# Altium PCB VAMoS Rev D.PcbDoc (part 2 of 4)
Units mil, origin at the board's own origin, x right, y up, seen from the top; angles counter-clockwise.
Board outline 3123.48 x 5025.48 mil, 4 copper layers (Top Signal Layer, Power Plane, Ground Plane, Bottom Signal Layer), stack 61.2 mil thick; 294 components, 124 nets, 789 pads, 1205 vias.
Unrouted connection lines stored in the file: 1.
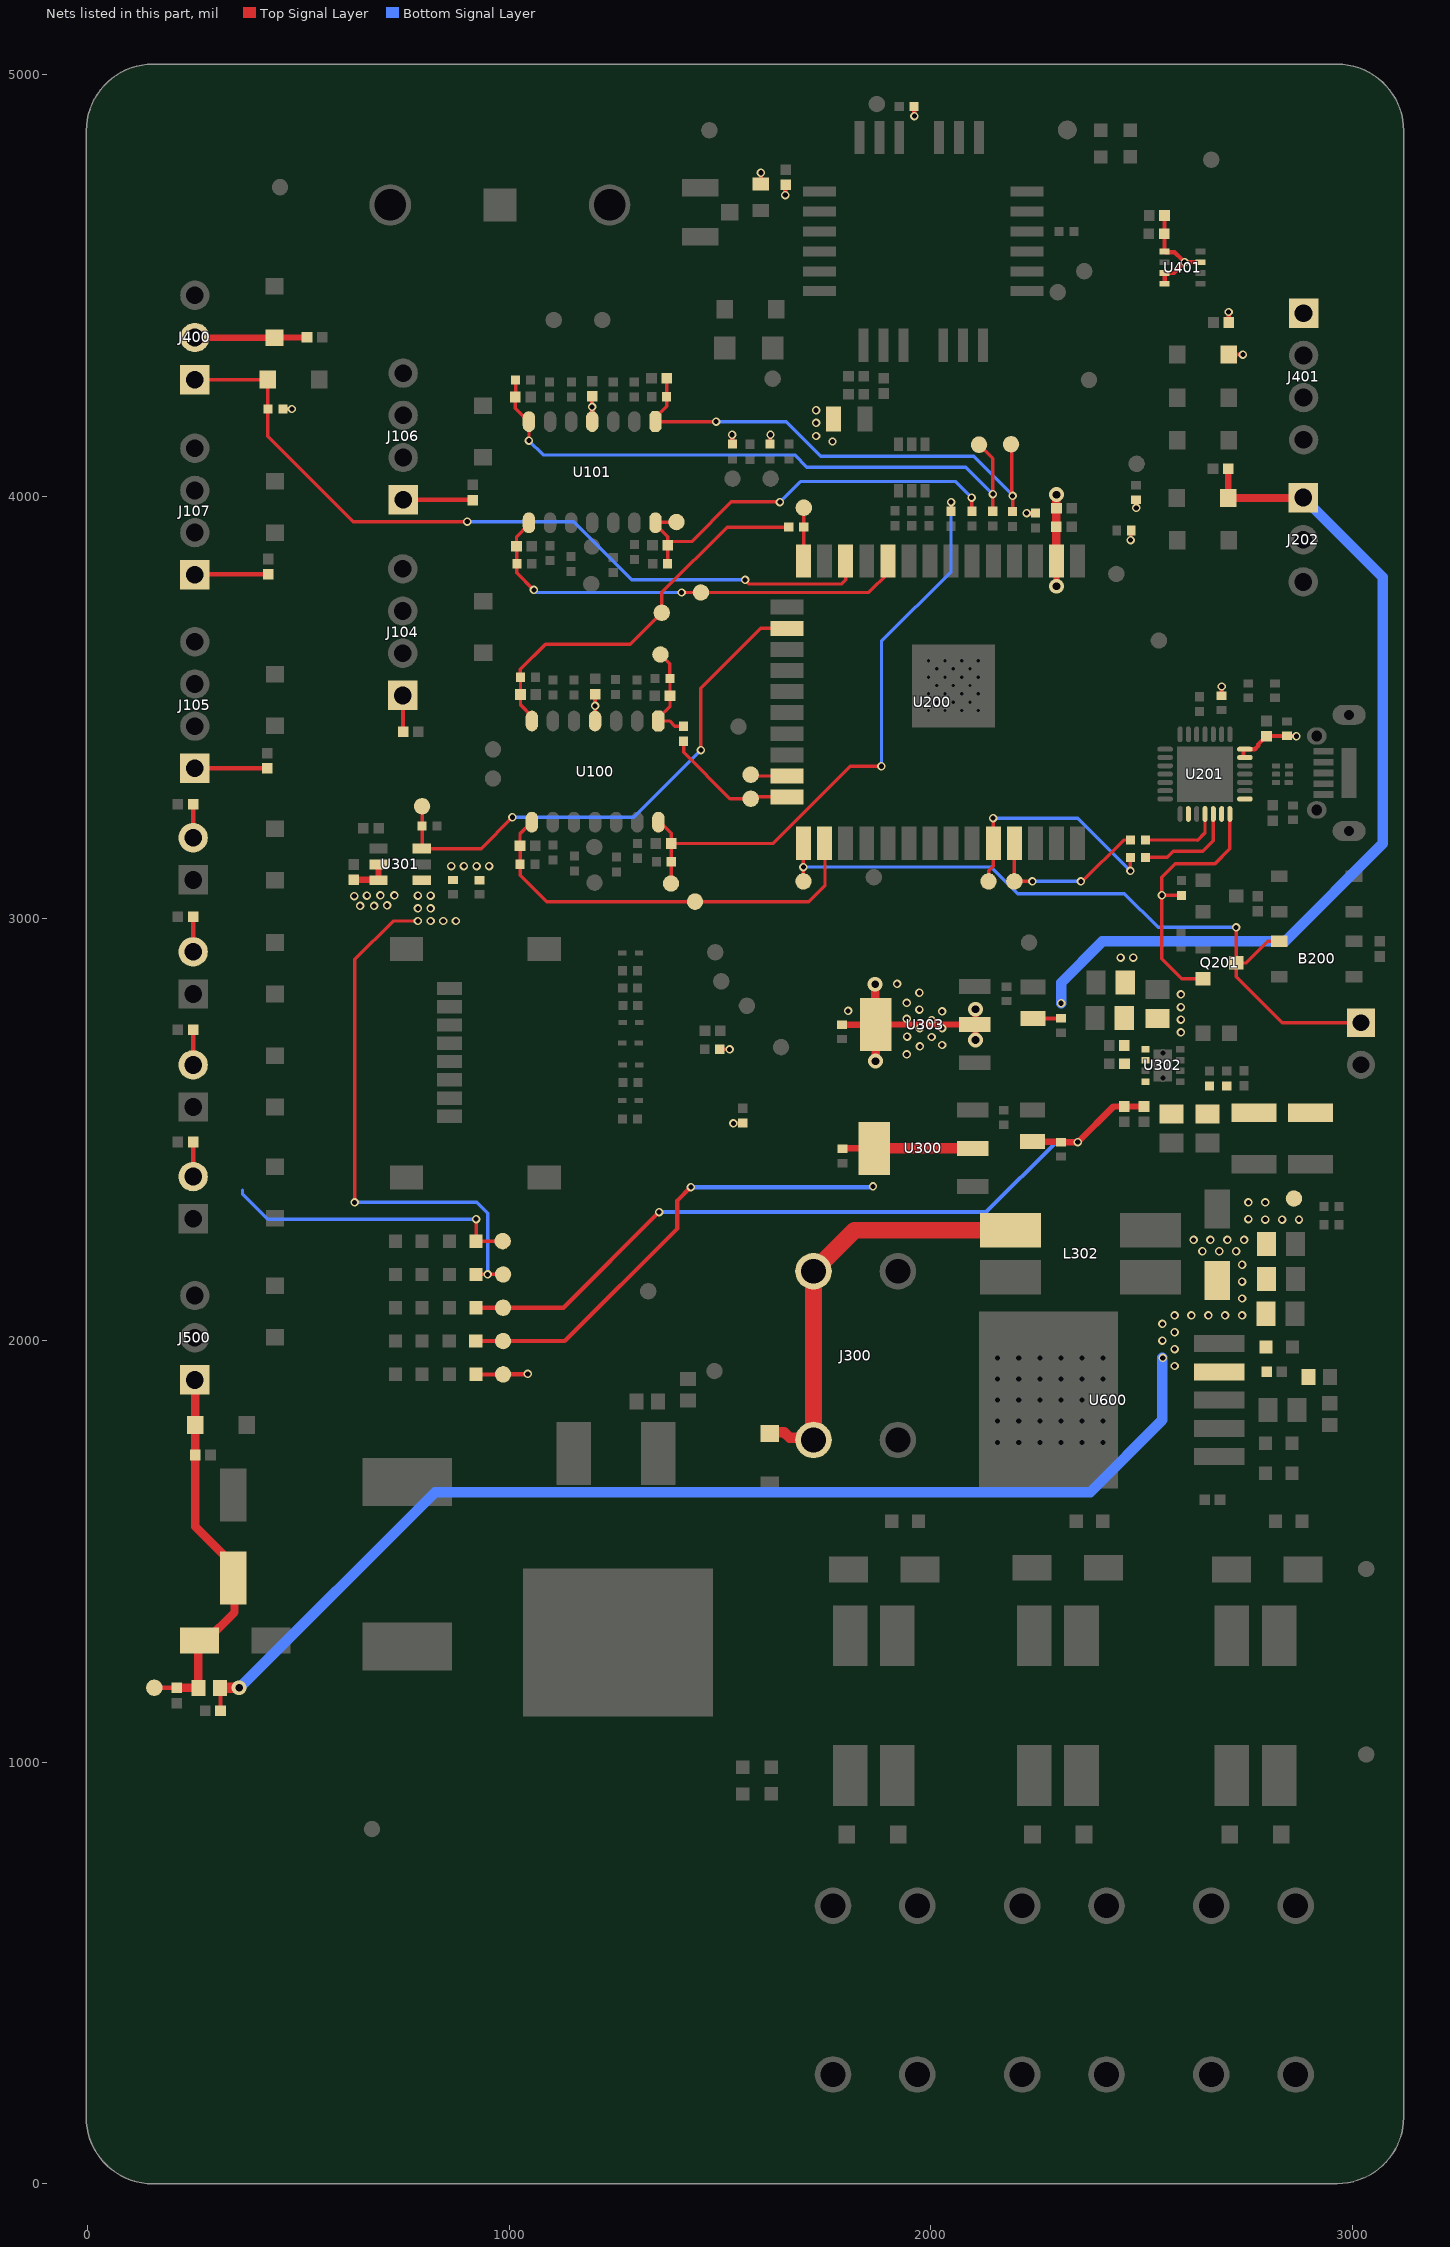
[diagram p4: the nets of this part, all layers, seen from the top]

## Part data (continued)
R216: library part 3K16_Resistor_0603, "Res,SMD,1/10W,3K16,0603,1%", Manufacturer="Stackpole Electronics", Manufacturer Part Number=RMCF0603FT3K16, Supplier Part Number 1=RMCF0603FT3K16CT-ND, Supplier 1=Digi-Key, Supplier 2=Arrow, Supplier Part Number 2=RMCF0603FT3K16
R217: library part 4K53_Resistor_0603, "Res,SMD,4K53,1/10W,1%,0603", Manufacturer=Yageo, Manufacturer Part Number=RC0603FR-074K53L, Supplier Part Number 1=311-4.53KHRCT-ND, Supplier 1=Digi-Key, Supplier 2=Arrow, Supplier Part Number 2=RC0603FR-074K53L
R220: library part 1K00_0603_0.1W, "RES 10k Ohm", Manufacturer=Panasonic, Manufacturer Part Number=ERJ-2RKF1002X, Supplier Part Number 1=P10.0KLCT-ND, ComponentLink1Description=https://datasheet.ciiva.com/2469/esr-2469603.pdf, ComponentLink1URL=https://datasheet.ciiva.com/2469/esr-2469603.pdf, ComponentLink2Description=https://datasheet.ciiva.com/2469/esr-2469604.pdf, ComponentLink2URL=https://datasheet.ciiva.com/2469/esr-2469604.pdf, ComponentLink3Description=https://datasheet.ciiva.com/2469/esr-2469605.pdf, ComponentLink3URL=https://datasheet.ciiva.com/2469/esr-2469605.pdf, Supplier 1=Digi-Key
R224: library part 22K_0603_1/4W, "Res,SMD,22k,0603,5%,1/4W", Manufacturer=Panasonic, Manufacturer Part Number=ERJ-2RKF2212X, Supplier Part Number 1=P22.1KLCT-ND, Supplier 1=Digi-Key
R225: library part 22K_0603_1/4W, "Res,SMD,22k,0603,5%,1/4W", Manufacturer=Panasonic, Manufacturer Part Number=ERJ-2RKF4752X, Supplier Part Number 1=P47.5KLCT-ND, Supplier 1=Digi-Key
R226 R407 R408: library part 1K00_0603_0.1W, Manufacturer=Panasonic, Manufacturer Part Number=ERJ-2RKF2001X, Supplier Part Number 1=P2.00KLDKR-ND, ComponentLink1Description=https://datasheet.ciiva.com/2469/esr-2469603.pdf, ComponentLink1URL=https://datasheet.ciiva.com/2469/esr-2469603.pdf, ComponentLink2Description=https://datasheet.ciiva.com/2469/esr-2469604.pdf, ComponentLink2URL=https://datasheet.ciiva.com/2469/esr-2469604.pdf, ComponentLink3Description=https://datasheet.ciiva.com/2469/esr-2469605.pdf, ComponentLink3URL=https://datasheet.ciiva.com/2469/esr-2469605.pdf, Supplier 1=Digi-Key
R227: Manufacturer=N/A, Distributor=N/A, Manufacturer Part Number=N/A, Supplier 1=N/A, Supplier Part Number 1=N/A
R228 R229 R230 R300 R400: Manufacturer=Panasonic, Manufacturer Part Number=ERJ-2RKF1002X, Supplier Part Number 1=P10.0KLCT-ND, Distributor=Digi-Key, Supplier 1=Digi-Key
R231: Manufacturer=Panasonic, Manufacturer Part Number=ERJ-2RKF6981X, Supplier Part Number 1=P6.98KLCT-ND, Distributor=Digi-Key, Supplier 1=Digi-Key
R232: Manufacturer=Panasonic, Manufacturer Part Number=ERJ-2RKF2101X, Supplier Part Number 1=P2.10KLCT-ND, Distributor=Digi-Key, Supplier 1=Digi-Key
R301: library part 100K_0603_0.1W, "Res,SMD,0603,1/10W,100K,1%", Manufacturer=Panasonic, Manufacturer Part Number=ERJ-2RKF1003X, Supplier Part Number 1=P100KLCT-ND, ComponentLink1Description=http://industrial.panasonic.com/www-cgi/jvcr13pz.cgi?E+PZ+3+AOA0002+ERJ3EKF1003V+7+WW, ComponentLink1URL=http://industrial.panasonic.com/www-cgi/jvcr13pz.cgi?E+PZ+3+AOA0002+ERJ3EKF1003V+7+WW, ComponentLink2Description=https://www.arrow.com/en/products/erj3ekf1003v/panasonic/, ComponentLink2URL=https://www.arrow.com/en/products/erj3ekf1003v/panasonic/, Supplier 1=Digi-Key
R302 R305 R602: library part 1K00_0603_0.1W, "RES 1K Ohm ±5%, 0.25W,1/4W 0603", Manufacturer=Yageo, Manufacturer Part Number=RC0603FR-071K2L, Resistance (Ohms)=1k, Supplier Part Number 1=311-1.20KHRCT-ND, ComponentLink1Description=https://datasheet.ciiva.com/2469/esr-2469603.pdf, ComponentLink1URL=https://datasheet.ciiva.com/2469/esr-2469603.pdf, ComponentLink2Description=https://datasheet.ciiva.com/2469/esr-2469604.pdf, ComponentLink2URL=https://datasheet.ciiva.com/2469/esr-2469604.pdf, ComponentLink3Description=https://datasheet.ciiva.com/2469/esr-2469605.pdf, ComponentLink3URL=https://datasheet.ciiva.com/2469/esr-2469605.pdf, Supplier 1=Digi-Key
R303: library part 71K5_0603_1/10W, "RES SMD 71.5K OHM 1% 1/10W 0603", Manufacturer="Panasonic Electronic Components", Manufacturer Part Number=ERJ-2RKF7152X, Supplier Part Number 1=P71.5KLCT-ND, Supplier 1=Digi-Key
R304 R404 R405 R406 R409: library part 1K00_0603_0.1W, "RES 1K Ohm ±5%, 0.25W,1/4W 0603", Manufacturer=Panasonic, Manufacturer Part Number=ERJ-2RKF1002X, Supplier Part Number 1=P10.0KLCT-ND, ComponentLink1Description=https://datasheet.ciiva.com/2469/esr-2469603.pdf, ComponentLink1URL=https://datasheet.ciiva.com/2469/esr-2469603.pdf, ComponentLink2Description=https://datasheet.ciiva.com/2469/esr-2469604.pdf, ComponentLink2URL=https://datasheet.ciiva.com/2469/esr-2469604.pdf, ComponentLink3Description=https://datasheet.ciiva.com/2469/esr-2469605.pdf, ComponentLink3URL=https://datasheet.ciiva.com/2469/esr-2469605.pdf, Supplier 1=Digi-Key
R306 R307: library part 1K00_0603_0.1W, "RES 1K Ohm ±5%, 0.25W,1/4W 0603", Manufacturer=Rohm, Manufacturer Part Number=RC0603FR-07560RL, Resistance (Ohms)=1k, Supplier Part Number 1=311-560HRCT-ND, ComponentLink1Description=https://datasheet.ciiva.com/2469/esr-2469603.pdf, ComponentLink1URL=https://datasheet.ciiva.com/2469/esr-2469603.pdf, ComponentLink2Description=https://datasheet.ciiva.com/2469/esr-2469604.pdf, ComponentLink2URL=https://datasheet.ciiva.com/2469/esr-2469604.pdf, ComponentLink3Description=https://datasheet.ciiva.com/2469/esr-2469605.pdf, ComponentLink3URL=https://datasheet.ciiva.com/2469/esr-2469605.pdf, Supplier 1=Digi-Key
R308 R401: library part 1K00_0603_0.1W, "RES 1K Ohm ±5%, 0.25W,1/4W 0603", Manufacturer=Rohm, Manufacturer Part Number=RC0603FR-07330RL, Resistance (Ohms)=1k, Supplier Part Number 1=311-330HRCT-ND, ComponentLink1Description=https://datasheet.ciiva.com/2469/esr-2469603.pdf, ComponentLink1URL=https://datasheet.ciiva.com/2469/esr-2469603.pdf, ComponentLink2Description=https://datasheet.ciiva.com/2469/esr-2469604.pdf, ComponentLink2URL=https://datasheet.ciiva.com/2469/esr-2469604.pdf, ComponentLink3Description=https://datasheet.ciiva.com/2469/esr-2469605.pdf, ComponentLink3URL=https://datasheet.ciiva.com/2469/esr-2469605.pdf, Supplier 1=Digi-Key
R402 R403: library part 1K00_0603_0.1W, "RES 1K Ohm ±5%, 0.25W,1/4W 0603", Manufacturer=Panasonic, Manufacturer Part Number=ERJ-2RKF4700X, Supplier Part Number 1=P470LCT-ND, ComponentLink1Description=https://datasheet.ciiva.com/2469/esr-2469603.pdf, ComponentLink1URL=https://datasheet.ciiva.com/2469/esr-2469603.pdf, ComponentLink2Description=https://datasheet.ciiva.com/2469/esr-2469604.pdf, ComponentLink2URL=https://datasheet.ciiva.com/2469/esr-2469604.pdf, ComponentLink3Description=https://datasheet.ciiva.com/2469/esr-2469605.pdf, ComponentLink3URL=https://datasheet.ciiva.com/2469/esr-2469605.pdf, Supplier 1=Digi-Key
R500: Manufacturer=Panasonic, Manufacturer Part Number=ERJ-3GEY0R00V, Supplier Part Number 1=P0.0GCT-ND, Distributor=Digi-Key, Supplier 1=Digi-Key
R501: Manufacturer=Panasonic, Manufacturer Part Number=ERJ-3GEYJ104V, Supplier Part Number 1=P100KGCT-ND, Distributor=Digi-Key, Supplier 1=Digi-Key
R600: Manufacturer=Panasonic, Manufacturer Part Number=ERA-3AEB5362V, Supplier Part Number 1=P53.6KDBCT-ND, Distributor=Digi-Key, Supplier 1=Digi-Key
R601: Manufacturer=Panasonic, Manufacturer Part Number=ERA-3AEB6981V, Supplier Part Number 1=P6.98KDBCT-ND, Supplier 1=Digi-Key
TP100 TP101 TP102 TP103 TP104 TP105 TP106 TP107 TP108 TP109 TP110 TP111 TP112 TP113 TP200 TP201 TP202 TP203 TP204 TP206 TP207 TP210 TP211 TP212 TP213 TP214 TP215 TP300 TP301 TP302 TP303 TP304 TP305 TP306 TP307 TP308 TP309 TP310 TP311 TP312 TP313 TP314 TP315 TP400 TP401 TP402 TP403 TP405 TP406 TP407 TP408 TP500 TP502 TP600 TP601: library part TP_SMD_39MIL, "SMD Test Pad", Manufacturer="No P/N Required", Fast Supplier="No P/N Required", Fast Supplier P/N="No P/N Required", Manufacturer P/N="No P/N Required", P/N="No P/N", UM=EA
TP404: library part TP_SMD_45MIL, "SMD Test Pad", Manufacturer="No P/N Required", Fast Supplier="No P/N Required", Fast Supplier P/N="No P/N Required", Manufacturer P/N="No P/N Required", P/N="No P/N", UM=EA
U100 U101: library part LM660, "Quad opamplifiers", Manufacturer="Texas Instruments", Supplier Part Number 1=296-35336-1-ND, Manufacturer Part Number=LMH6644MAX/NOPB, Supplier 1=Digi-Key
U200: "Microcontroller WIFI Module 32Mbits SPI Flash", Manufacturer="Espressif Systems", Supplier Part Number 1=1904-1026-1-ND, Manufacturer Part Number=ESP32-WROOM-32U, Supplier 1=Digi-Key
U201: library part "CP2102N QFN28", "USB to UART converter", Manufacturer="Silicon Labs", Supplier Part Number 1=336-4738-1-ND, Manufacturer Part Number=CP2102N-A01-GQFN28R, Supplier 1=Digi-Key
U202: library part CMP-0326-00038-3, "USB ESD Solution with Power Clamp, 4 Channels, -40 to +85 degC, 6-pin SON (DRY), Green (RoHS & no Sb/Br)", Breakdown Voltage(Min)(V)=6, IO Capacitance(Typ)(pF)=0.8, IO Leakage Current(nA)=10, Manufacturer="Texas Instruments", Supplier Part Number 1=296-24244-1-ND, ComponentLink1Description="Manufacturer URL", ComponentLink1URL=http://www.ti.com/, ComponentLink2Description=Datasheet, ComponentLink2URL=http://www.ti.com/general/docs/lit/getliterature.tsp?genericPartNumber=TPD4S012&fileType=pdf, ComponentLink3Description="URL Link1", ComponentLink3URL=SamplesURL:http://www.ti.com/product/tpd4s012#samples, DatasheetVersion=SLVS928A, Eco-Plan="Green (RoHS & no Sb/Br)", IEC 61000-4-2 Air-Gap(+/- kV)=10, IEC 61000-4-2 Contact(+/- kV)=10, Manufacturer Part Number=TPD4S012DRYR, Mounting Technology="Surface Mount", PackageDescription="6-Pin Plastic Small Outline No-Lead, 1 x 1.45 x 0.6 mm Body, 0.5 mm Pitch", PackageReference=DRY0006A, PackageVersion="revF, Dec-2011", PartNumber=TPD4S012DRYR, SubFamily="ESD Solution", Supplier 1=Digi-Key, USB High Speed=TRUE
U300: library part ZLDO1117, "1A 3.3V LDO", Manufacturer="Diodes Incorporated", Supplier Part Number 1=ZLDO1117G50DICT-ND, Manufacturer Part Number=ZLDO1117G50TA, Supplier 1=Digi-Key
U301: "High Side Load Switch", Manufacturer="Texas Instruments", Supplier Part Number 1=296-45297-1-ND, Manufacturer Part Number=TPS22810DBVR, Supplier 1=Digi-Key
U302: "DC-DC: 0.9-6V 2A output, 3-17V input. Non-isolated.", Manufacturer="Texas Instruments", Manufacturer Part Number=TPS82140SILT, Supplier Part Number 1=296-47089-1-ND, ComponentLink1Description=wefwef, ComponentLink1URL=https://www.digikey.ca/product-detail/en/texas-instruments/TPS82140SILT/296-47089-1-ND/7596470, Supplier 1=Digi-Key
U303: library part ZLDO1117, "1A 3.3V LDO", Manufacturer="Diodes Incorporated", Supplier Part Number 1=ZLDO1117QG33TADICT-ND, Manufacturer Part Number=ZLDO1117QG33TA, Supplier 1=Digi-Key
U400: "GPS Module", Manufacturer="Sierra Wireless", Manufacturer Part Number=XA1100_1103872, Supplier Part Number 1=1645-1094-1-ND, Supplier 1=Digi-Key
U401: "SENSOR Humidity Temperature 0 ~ 100% RH I²C SPI ±3% 1s 8-Pin LGA", Manufacturer=Bosch, Supplier Part Number 1=828-1063-1-ND, Manufacturer Part Number=BME280, Supplier 1=Digi-Key
U600: "Linear Voltage Regulator IC Positive Adjustable 1 Output  3A D2PAK-5", Manufacturer="ON Semiconductor", Supplier Part Number 1=NCP57302DSADJR4GOSCT-ND, Manufacturer Part Number=NCP57302DSADJR4G, Supplier 1=Digi-Key

## Via types
v1: diameter 20, hole 12, Top Signal Layer to Bottom Signal Layer, tented both sides, 1169 vias
v2: diameter 35, hole 18, Top Signal Layer to Bottom Signal Layer, tented both sides, 27 vias
v3: diameter 19.68, hole 7.87, Top Signal Layer to Bottom Signal Layer, tented both sides, 9 vias

## Nets (pads, with @x,y where several pads share a name; then routed paths per layer and width w, separated by ;. In a path a pad name is that pad's centre, name@x,y a point inside that pad or via, vN(x,y) a via of type N, cw(c..) or ccw(c..) an arc to the next point about the centre after c; other vN are vias at no path point)
+3V3: C112.2 C113.2 C201.2 C202.1 C203.2 C204.1 C317.2 C400.2 C402.2 C404.1 C406.2 C407.2 D400.1 D403.1 J400.2 J401.1 L400.1 L401.2 R201.1 R220.2 R226.1 R230.1 R308.2 R400.2 R404.2 R406.2 R407.2 R408.2 R409.2 TP309.1 U100.4 U101.4 U200.2 U201.6 U201.7 U303.2 U401.2 U401.5 U401.6 U401.8 | length 2073.5
  Top Signal Layer w8: R201.1@1499.6,2689.83 v1(1522.88,2689.83) ; R409.2@1619.17,4124.72 1619.59,4125.13 1619.59,4146.59 v1(1620,4147) ; v1(2474,3897) 2474.46,3897.46 2474.46,3919.54 R408.2@2474.93,3920
  Top Signal Layer w10: R400.2@465.85,4204.34 469.51,4208 v1(485.28,4208) ; R308.2@921.85,1919.06 1000.35,1919.06 1000.85,1919.56 1043.85,1919.56 v1(1044.35,1920.06) ; v1(1197,4213) v1@1197,4218.76 ; C113.2@1197,4246 v1@1197,4218.76 ; U101.4@1197.24,4178.15 1197.12,4178.28 1197.12,4218.88 v1@1197,4218.76 ; U100.4@1204.01,3468.4 v1@1204,3511 ; v1(1204,3504) v1@1204,3510.99 ; C112.2@1204,3532 v1@1204,3510.99 ; v1(1529,4147) 1529.39,4146.61 1529.39,4125.32 R406.2@1529.77,4124.94 ; v1(1531.97,2514.14) 1532.28,2514.45 1553.84,2514.45 R220.2@1554.14,2514.76 ; L401.2@1597.2,4741.65 v1(1597.2,4768.15) ; v1(1654.98,4715.09) C404.1@1654.98,4738.98 ; L400.1@1771.1,4181.55 L400.1@1773.55,4184 ; R404.2@1960.61,4925.3 1960.75,4925.16 1960.75,4902.44 v1(1960.89,4902.3) ; v1(2227,3961) 2227.05,3961.05 2248.23,3961.05 R230.1@2248.28,3961.1 ; R407.2@2486.5,3992.64 R407.2@2487,3993.14 R407.2@2487,3993.14 2487.04,3973.78 v1(2487.08,3973.74) ; C407.2@2554.1,4666.89 2554.35,4666.63 2554.35,4581.83 U401.8@2554.61,4581.58 2556.5,4579.69 2578.11,4579.69 2595.34,4562.46 v1@2601.97,4555.83 ; U401.5@2554.61,4504.81 U401.6@2554.61,4530.4 2576.54,4530.4 v1@2601.97,4555.83 ; U401.2@2639.25,4555.99 v1(2601.97,4555.99) v1@2601.97,4555.83 ; R226.1@2689.68,3528.01 2689.76,3528.09 2689.76,3549.99 v1(2689.85,3550.08) ; v1(2706.32,4438) 2706.37,4437.94 2706.37,4413.06 C400.2@2706.43,4413 ; D400.1@2706.34,4337 v1(2740,4337) ; U201.6@2741.68,3381.66 2741.68,3401.35 2741.76,3401.43 2768.2,3401.43 2776.17,3409.39 2776.17,3412.57 2795.74,3432.15 C204.1@2795.85,3432.04 2796.41,3432.59 2844.3,3432.59 C203.2@2844.85,3433.15 2845.35,3432.65 2866.35,3432.65 v1(2866.85,3432.15)
  Top Signal Layer w15: J400.2@257.94,4377.57 258.23,4377.27 443.48,4377.27 443.89,4376.87 D403.1@444,4376.98 444.51,4377.49 520.38,4377.49 C402.2@520.89,4378 ; L400.1@1769.61,4184 L400.1@1769.7,4184.09 L400.1@1769.79,4184 ; L400.1@1769.85,4183.94 L400.1@1769.79,4184 ; L400.1@1773.55,4184 L400.1@1769.79,4184 ; C317.2@1788.98,2748.11 U303.2@1869.58,2748.11 ; U303.2@1870.01,2748.54 U303.2@2104.26,2748.54 ; v2(2106,2712) 2106,2746.8 U303.2@2104.26,2748.54 ; v2(2106,2785) 2106,2750.28 U303.2@2104.26,2748.54 ; v2(2298,3788) 2298.08,3788.08 2298.08,3847.61 U200.2@2298.16,3847.69
  Top Signal Layer w20: U303.2@1867.98,2750.57 U303.2@1870.01,2748.54 1869.58,2748.11 U303.2@1868.98,2747.5 ; U303.2@1868,2750.59 v2(1868,2844) ; v2(1869,2662) U303.2@1869,2747.48 ; v2(2298,4005) 2297.73,4004.73 2297.73,3972.83 C201.2@2298.17,3972.39 2297.67,3971.89 2297.67,3929.89 2297.17,3929.39 2297.67,3928.89 2297.67,3861.18 U200.2@2299.02,3859.83
  other v1: 1943,2678 1974,2697 2027,2700 2002,2719 1944,2720 1974,2740 2027,2740 2002,2759 1943,2762 2027,2780 1803.98,2781.18 1973,2784 1943,2800 1973,2824 1920,2845 1767,4131 1728,4144 1728,4175 1728,4205
+5V: C205.1 C307.2 C312.2 D209.1 J202.1 L301.1 R307.2 TP305.1 U300.2 | length 3602
  Top Signal Layer w10: R307.2@921.35,1998.06 TP305.1@985.85,1998.06 1132.06,1998.06 1399,2265 1399,2331 v1(1431,2363) ; L301.1@2242.13,2763.13 2302.65,2763.13 C312.2@2303.13,2762.65 ; C312.2@2308.49,2762.78 2307.82,2763.45 C312.2@2308.82,2764.45
  Top Signal Layer w15: C307.2@1790.53,2455.16 1790.68,2455 U300.2@1865.56,2455 ; U300.2@2099.81,2455 2101.81,2455 U300.2@2102.17,2454.65 ; D209.1@2705.02,3997 2705.12,3997.1 2705.12,4065.9 C205.1@2705.22,4066
  Top Signal Layer w20: D209.1@2705.02,3997 2882,3997 J202.1@2883,3998
  Top Signal Layer w25: U300.2@1865.56,2455 U300.2@2099.81,2455
  Bottom Signal Layer w10: v1(1431,2363) 1861,2363 v1(1863,2365)
  Bottom Signal Layer w25: v1(2309,2799) 2309,2848 2407,2946 2840,2946 3071.85,3177.85 3071.85,3809.15 J202.1@2883,3998
+6V5: C300.2 C316.1 C318.1 C319.1 C320.1 C321.1 C322.1 L300.1 R301.2 R303.2 R306.2 TP308.1 U302.4 | length 1910.5
  Top Signal Layer w8: C316.1@2766.15,2539.65 C316.1@2785.5,2539.65
  Top Signal Layer w10: R306.2@921.85,2077.06 TP308.1@985.85,2077.06 1129.06,2077.06 v1(1356,2304) ; C300.2@2303.04,2471.24 C300.2@2303.53,2470.76
  Top Signal Layer w15: L300.1@2241.53,2471.24 2242.36,2470.41 2307.69,2470.41 C300.2@2308.53,2469.57 v1(2348.46,2469.57) 2433.07,2554.19 C318.1@2458.85,2554.19 C319.1@2505.46,2554.19 C319.1@2506.13,2554.86
  Bottom Signal Layer w10: v1(1356,2304) 2131.29,2304 2297.7,2470.41 2347.62,2470.41 v1(2348.46,2469.57)
+10V8: C303.1 C304.1 C305.2 C306.1 C308.1 C313.2 C315.1 C501.1 C604.2 C608.1 C609.1 C610.1 C611.1 D306.1 FB500.2 R305.2 R600.1 TP306.1 TP601.1 U301.1 U302.1 U302.2 U600.4 | length 4003.3
  Top Signal Layer w8: v1(634,2327) 634,2903 725,2994 v1(784,2994) ; U301.1@792.43,3090.08 U301.1@793.03,3090.68 U301.1@793.23,3090.88 ; C305.2@866.65,3090.88 C305.2@866.85,3091.08 ; R305.2@921.85,2156.06 v1(949.41,2156.06) TP306.1@985.85,2156.06 ; C306.1@2458.85,2654.86 C306.1@2459.23,2655.24
  Top Signal Layer w10: FB500.2@314.94,1175.35 316,1174.29 C501.1@316,1121.7
  Top Signal Layer w12: U302.1@2506.88,2689.86 U302.1@2508.85,2689.86
  Top Signal Layer w15: C304.1@2458.25,2764.86 C304.1@2458.61,2764.5 ; C308.1@2458.61,2699.21 C308.1@2458.96,2698.86 C308.1@2459.09,2698.72 ; C306.1@2459.09,2655.37 C306.1@2459.23,2655.24
  Top Signal Layer w25: FB500.2@314.94,1175.35 FB500.2@314.59,1175.7 314.74,1175.85 359.85,1175.85 v2(360,1176)
  Bottom Signal Layer w8: v1(634,2327) 924,2327 949.41,2301.59 v1(949.41,2156.06)
  Bottom Signal Layer w25: v2@360.5,1175.5 825,1640 2378,1640 2549,1811 v1@2549,1958
  other v1: 2578,1939 2550,1958 2578,1979 2549,1999 2578,2019 2549,2039 2578,2059 2618,2059 2658,2059 2698,2059 2738,2059 2738,2099 2738,2139 2738,2179 2644,2211 2684,2211 2724,2211 2623,2238 2663,2238 2703,2238 2743,2238 2793,2286 2833,2286 2873,2286 2753,2287 2753,2327 2793,2327 2593,2730 2593,2760 2593,2790 2593,2820 2450,2907 2480,2907 814,2994 844,2994 874,2994 784,3024 814,3024 784,3054 814,3054 863,3124 893,3124 923,3124 953,3124
+10V8_ALPHS: C108.2 C109.2 C110.2 C111.2 C114.2 C115.2 C116.2 C117.2 C311.1 J100.2 J101.2 J102.2 J103.2 J104.1 J105.1 J106.1 J107.1 R302.2 TP307.1 U301.5 U301.6 | length 1742.2
  Top Signal Layer w8: C311.1@632,3091.89 C311.1@632,3093 ; J104.1@748,3529 J104.1@748.89,3528.11 ; C110.2@913,3993 C110.2@914,3992 ; R302.2@921.85,2234.81 922,2234.96 v1(922,2287) ; R302.2@922.1,2235.06 TP307.1@984.85,2235.06 TP307.1@1000.35,2235.06
  Top Signal Layer w10: J100.2@251.06,2388 C114.2@251.11,2470 ; J101.2@251.06,2652.92 C115.2@251.11,2736 ; J103.2@251.06,2920.98 C117.2@251.11,3004 ; J102.2@251.06,3191.45 C116.2@251.11,3271 ; J105.1@255,3356 C109.2@427,3356 ; J107.1@255,3815 256,3816 C111.2@429,3816 ; C108.2@748.89,3443 J104.1@748.89,3528.11 ; J106.1@749,3993 C110.2@913,3993
  Top Signal Layer w15: C311.1@632,3093.08 633.2,3091.88 689.47,3091.88 U301.6@690.67,3090.68 U301.5@690.67,3128.08
  Bottom Signal Layer w8: 368,2356 368,2347.46 428.46,2287 v1(922,2287)
  other v1: 647,3030 680,3030 711,3031 633,3053 663,3054 695,3055 728,3055
+VCC_PUMP: C500.1 C502.1 C503.1 D500.1 D502.1 FB500.1 J500.1 TP502.1 | length 918.5
  Top Signal Layer w10: TP502.1@159,1176 159.15,1175.85 211.85,1175.85 C503.1@212,1175.7
  Top Signal Layer w20: C503.1@212,1175.7 FB500.1@263.41,1175.7 263.41,1285.06 D500.1@266.35,1288 282.1,1288 349,1354.9 349,1433.57 C500.1@346,1436.57 346,1468.07 255.89,1558.18 C502.1@255.89,1728 C502.1@255.89,1728 255.93,1798.96 D502.1@255.98,1799 255.98,1905.02 J500.1@255,1906
+VIN: D300.1 J300.2 L302.1 | length 1009.2
  Top Signal Layer w25: D300.1@1628,1782 1652,1782 1665.12,1768.88 1716.61,1768.88 J300.2@1721.93,1763.56
  Top Signal Layer w40: J300.2@1721.93,1763.56 J300.2@1721.93,2163.56 1819.28,2260.91 L302.1@2189.25,2260.91
ALPHS1: C100.2 R108.2 R203.2 TP207.1 U100.14 | length 1450.2
  Top Signal Layer w8: U100.14@1356.3,3230.7 1384.4,3202.6 C100.2@1384.4,3177.67 ; TP207.1@1384,3083 1384.36,3083.36 1384.36,3134.07 R108.2@1384.72,3134.43 1384.72,3177.35 C100.2@1384.4,3177.67 ; v1(1883,3361) 1809,3361 1625.67,3177.67 C100.2@1384.4,3177.67 ; R203.2@2048,3965.43 v1(2048,3987)
  Bottom Signal Layer w8: v1(1883,3361) 1883,3657 2048,3822 v1(2048,3987)
ALPHS2: C101.2 R109.2 R204.2 TP108.1 U100.1 | length 250.4
  Top Signal Layer w8: TP108.1@1359,3626 1381.37,3603.63 R109.2@1381.37,3569.19 R109.2@1381.65,3569.47 ; R109.2@1381.76,3568.8 C101.2@1381.76,3528.19 1381.76,3503.59 1354.01,3475.83 U100.1@1354.01,3468.4 1380.53,3468.4 1393.13,3455.8 R204.2@1413.85,3455.8 R204.2@1420.85,3455.8
ALPHS3: C102.2 R110.2 R205.2 TP109.1 U100.7 | length 935.3
  Top Signal Layer w8: R110.2@1027.28,3572 1026.99,3572.29 1026.99,3590.57 1086.43,3650 1287,3650 TP109.1@1362,3725 1362,3773 1517,3928 R205.2@1663.28,3928 ; R110.2@1027.57,3569.56 1027.17,3569.17 C102.2@1027.17,3531.06 1027.17,3506.46 1054.01,3479.63 U100.7@1054.01,3468.4
ALPHS4: C103.2 R111.2 TP110.1 U100.8 U200.26 | length 1009.3
  Top Signal Layer w8: U100.8@1054.01,3228.4 1026.03,3200.42 C103.2@1026.03,3172.25 1026.42,3171.86 R111.2@1026.42,3128.5 1026.42,3102.6 1089.03,3040 1448,3040 1711,3040 1749.27,3078.27 1749.27,3182.88 1748.27,3183.88 U200.26@1749.02,3184.63
ALPHS5: C104.2 R120.2 R200.2 TP206.1 U101.14 | length 992
  Top Signal Layer w8: R120.2@1376.07,3841.23 1376.07,3884.76 C104.2@1376.46,3885.15 ; TP206.1@1397,3940 1396.08,3939.08 1348.17,3939.08 U101.14@1347.24,3938.15 1347.24,3933.76 1376,3905 1376,3885.62 C104.2@1376.46,3885.15 ; v1(1642,3987) 1641,3988 1527.15,3988 1432.91,3893.75 1385.06,3893.75 C104.2@1376.46,3885.15 ; v1(2097,3998) 2097.5,3997.5 2097.5,3966.22 R200.2@2098,3965.72
  Bottom Signal Layer w8: v1(1642,3987) 1691,4036 2059,4036 v1(2097,3998)
ALPHS6: C105.2 R121.2 R223.1 TP111.1 U101.1 | length 1196.2
  Top Signal Layer w8: C105.2@1374.11,4281.17 1374.11,4237.57 R121.2@1373.72,4237.17 1373.59,4237.05 1373.59,4214.35 1347.24,4188 U101.1@1347.24,4178.15 1347.4,4178 v1(1491,4178) ; TP111.1@2190.38,4124.38 2192.19,4122.58 2192.19,4003.81 v1(2194,4002) R223.1@2194,3964.72
  Bottom Signal Layer w8: v1(1491,4178) 1657.02,4178 1739.02,4096 2102,4096 2194,4004 v1(2194,4002)
ALPHS7: C106.2 R122.2 R233.1 TP112.1 U101.7 | length 1480.9
  Top Signal Layer w8: R122.2@1015.57,4277 1015.57,4236.87 C106.2@1015.17,4236.48 1015.17,4210.22 U101.7@1047.24,4178.15 v1(1047.24,4133.15) ; TP112.1@2114.38,4123.38 2147,4090.77 v1(2147,4006) R233.1@2147,3965.72
  Bottom Signal Layer w8: v1(1047.24,4133.15) 1081.4,4099 1677,4099 1706,4070 2083,4070 v1(2147,4006)
ALPHS8: C107.2 R123.2 TP113.1 U101.8 U200.10 | length 1089.4
  Top Signal Layer w8: U101.8@1047.24,3938.15 1047.24,3934.68 1017.79,3905.23 C107.2@1017.79,3882.32 1018.53,3881.59 R123.2@1018.53,3841.15 1018.53,3819.4 v1@1057.85,3780.08 ; v1(1409,3773) 1853,3773 1899.02,3819.02 U200.10@1899.02,3859.83
  Bottom Signal Layer w8: v1(1058.85,3779.08) 1064.93,3773 v1(1409,3773)
ALPHS_EN: R300.1 TP304.1 U200.16 U301.3 | length 1255.8
  Top Signal Layer w8: U301.3@793.03,3165.48 U301.3@793.33,3165.78 ; TP304.1@793.85,3266.08 R300.1@793.85,3219.04 793.85,3166.3 U301.3@793.33,3165.78 ; v1(1008,3240.08) 933.7,3165.78 U301.3@793.33,3165.78 ; v1(1455,3399) 1455,3546 1597.05,3688.05 U200.16@1645.8,3688.05
  Bottom Signal Layer w8: v1(1008,3240.08) 1296.08,3240.08 v1(1455,3399)
BOOT14: R205.1 TP213.1 U200.14 | length 121.7
  Top Signal Layer w8: U200.14@1698.16,3860.68 1699,3861.53 1699,3928 TP213.1@1699,3982
BOOT23: TP212.1 U200.23 | length 74.1
  Top Signal Layer w8: TP212.1@1573,3341 1576,3338 1645.75,3338 U200.23@1645.8,3338.05
BOOT24: R204.1 TP211.1 U200.24 | length 306.3
  Top Signal Layer w8: R204.1@1413.85,3420.36 1413.85,3394 1523.85,3284 TP211.1@1573,3284 1578,3289 1644.84,3289 U200.24@1645.8,3288.05
BOOT25: B200.1 J200.1 Q201.3 TP210.1 U200.25 | length 1745.4
  Top Signal Layer w8: TP210.1@1698,3089 v1(1698,3122) 1698,3165.25 1698.16,3165.41 U200.25@1699,3166.25 ; v1(2724,2979) 2724,2894.98 Q201.3@2724.22,2894.76 Q201.3@2723.85,2894.39 ; B200.1@2826.27,2946.4 2799.17,2946.4 2747.17,2894.39 Q201.3@2723.85,2894.39 ; J200.1@3020,2753 2832.93,2753 2723.85,2862.08 Q201.3@2723.85,2894.39
  Bottom Signal Layer w8: v1(1698,3122) 2143,3122 2206,3059 2459,3059 2539,2979 v1(2724,2979)
CP_RX: R222.1 U201.25 | length 205
  Top Signal Layer w8: R222.1@2502.72,3192 R222.1@2508.72,3186 2632,3186 2632.5,3185.5 2650.14,3203.14 U201.25@2650.14,3247.81 U201.25@2650.14,3250.76
CP_TX: R221.1 U201.26 | length 244.1
  Top Signal Layer w8: R221.1@2508.72,3145 2561,3145 2575,3159 2645,3159 2669.83,3183.83 U201.26@2669.83,3247.81 U201.26@2669.83,3250.76
CTS: U201.23
DCD: U201.1
DSR: U201.27
DTR: Q201.2 R228.2 U201.28 | length 632.9
  Top Signal Layer w8: R228.2@2594.85,3054.36 2594.13,3055.08 v1(2547.85,3055.08) ; Q201.2@2645.48,2857.36 2594.57,2857.36 2547.85,2904.08 v1(2547.85,3055.08) ; U201.28@2709.2,3250.76 2709.2,3165.43 2673.85,3130.08 2579.85,3130.08 2547.85,3098.08 v1(2547.85,3055.08)
ESP_RX: R221.2 TP214.1 U200.34 | length 563.6
  Top Signal Layer w8: TP214.1@2137,3088 2137,3113 2148.16,3124.16 2148.16,3165.41 2148,3165.57 v1(2148,3238) ; v1(2473,3113) 2473.14,3113.14 2473.14,3144.86 R221.2@2473.28,3145
  Bottom Signal Layer w8: v1(2148,3238) 2348,3238 v1(2473,3113)
ESP_TX: R222.2 TP215.1 U200.35 | length 455.6
  Top Signal Layer w8: U200.35@2198.16,3165.41 2198,3165.25 2198,3101 2211,3088 v1(2241,3088) ; U200.35@2198.86,3164.57 U200.35@2198.86,3183.94 ; U200.35@2199.02,3153.48 U200.35@2199.02,3184.63 ; U200.35@2199.86,3165.57 U200.35@2199.86,3184.94 ; v1(2356,3088) 2359,3088 2457,3186 R222.2@2473.28,3186
  Bottom Signal Layer w8: v1(2241,3088) v1(2356,3088)
EXT_TEMP: D404.1 J400.1 R400.1 U200.12 | length 1881.5
  Top Signal Layer w8: J400.1@257.94,4277.57 427.54,4277.57 D404.1@427.98,4278 428.28,4277.69 R400.1@428.28,4208 428.28,4143.72 631,3941 v1(901,3941) ; v1(1560,3803) 1570,3793 1788,3793 1798.16,3803.16 U200.12@1798.16,3847.69 U200.12@1798.16,3860.68
  Bottom Signal Layer w8: v1(901,3941) 1153,3941 1291,3803 v1(1560,3803)